# KiCad board Control_1v1.kicad_pcb (continued)
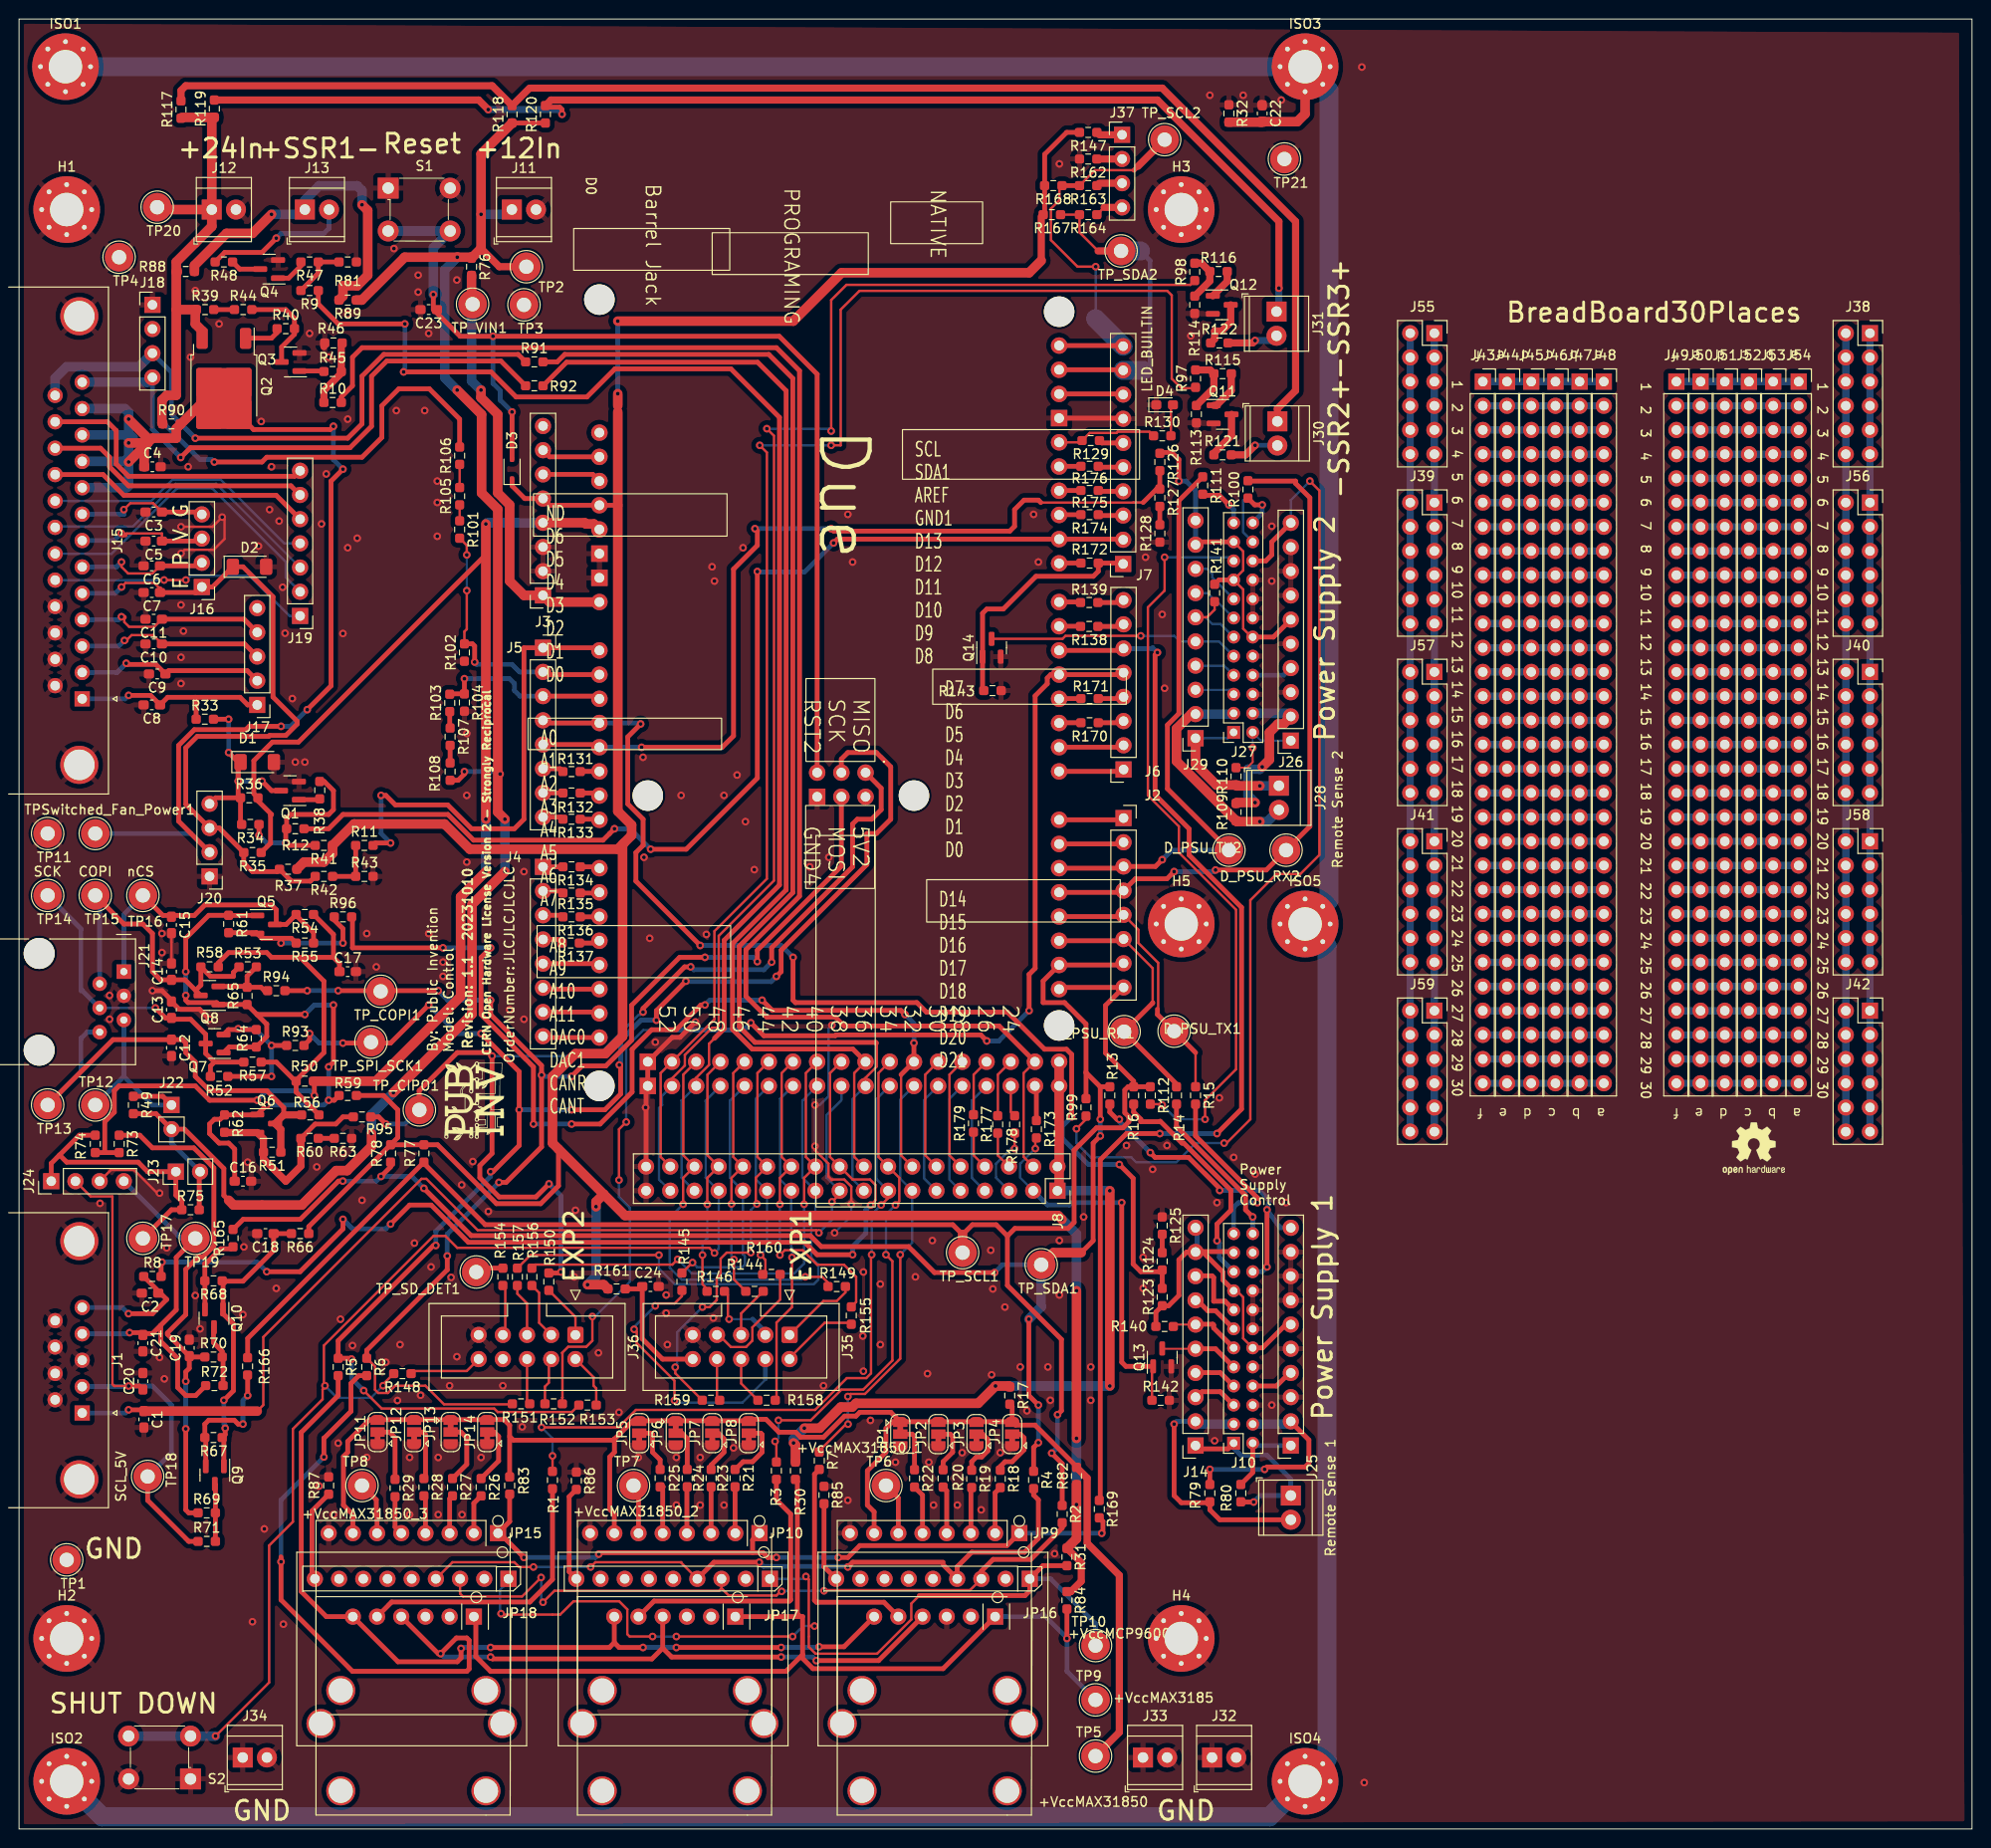
[diagram p0: board, top side]
## Routing (per net, layer and track width the routed paths; a pad name or vN(x,y) marks a point on that pad's centre or on a via; arc(x,y) is an arc through that point) (continued)
SDA1: length 33.2
  Top w0.25: R167.1 R164.2 111.32,167.61 113.27,165.66
  Top w0.5: A1.SDA1 115.84,153.18 J7.9
  Top w0.75: 113.27,165.66 TP_SDA2.1
  Bottom w0.5: 117.71,165.66 118.73,164.64 118.73,153.84 118,153.12
  Bottom w2: 117.71,165.66 TP_SDA2.1 ; J7.9 118,153.12
SENSE_12V: length 18.6
  Top w0.5: J5.3 60.64,118.92 A1.A2 ; R103.2 45.25,119.16 R104.1 v1(46.75,120.75)
  Bottom w0.5: v1(46.75,120.75) 51.5,120.75 52,120.25 52,119.5 52.58,118.92 J5.3
SENSE_24V: length 28.1
  Top w0.25: R101.2 47,134.75 v1(47,133.75) ; v1(47,130) 47,125.95 46.75,125.7 R102.2
  Top w0.5: J5.2 55.28,121.18 A1.A1 ; R102.2 47.59,124.41 47.82,124.18 v1(47.82,122.5)
  Bottom w0.25: v1(47,133.75) v1(47,130)
  Bottom w0.5: v1(47.82,122.5) 47.75,122.5 48,122.25 51.75,122.25 52.54,121.46 J5.2
SENSE_AUX1: length 117.2
  Top w0.5: v1(71.5,92.75) 64.75,99.5 64.75,102.5 65.51,103.26 65.51,106 63.9,107.61 63.9,114.65 v1(65.25,116) ; v1(115.5,69.75) 116.95,68.3 116.95,59.3 117.75,58.5 119.82,58.5 R124.1 R123.2 ; v1(81.25,91.5) 81.25,87 81.5,86.75 94.25,86.75 95.25,85.75 103.75,85.75 107.65,81.85 109.95,81.85 110.5,81.3 v1(110.5,74.75) ; A1.A3 55.28,116.1 J5.4
  Bottom w0.5: v1(115.5,69.75) 112.25,69.75 109.5,72.5 109.5,73.75 v1(110.5,74.75) ; v1(65.25,116) 65.15,116.1 A1.A3 ; v1(81.25,91.5) 80,92.75 v1(71.5,92.75)
SENSE_AUX2: length 91.1
  Top w0.25: 118,139.25 117,139.25 117,139.25 107.25,139.25
  Top w0.5: 118,139.25 119.41,140.66 R127.1 R126.2 ; A1.A4 60.64,113.84 J5.5 ; v1(65.35,113.55) 73.8,113.55 75,114.75 75,132.25 77.5,134.75 77.5,136.25 v1(77.25,136.5) ; v1(85.25,136.5) 85.5,136.25 104,136.25 104.5,136.75 104.5,138.5 105.5,139.5 107,139.5 107.25,139.25
  Bottom w0.5: A1.A4 65.34,113.56 v1(65.35,113.55) ; v1(85.25,136.5) v1(77.25,136.5)
SPI_nRST: length 114.1
  Top w0.5: D3.2 v1(51.75,148.75) ; v1(43.49,161.08) 43.49,159.51 46.3,156.7 79.8,156.7 83.78,152.72 A1.RST2
  Bottom w0.5: v1(49.75,156.7) 49.75,151.75 50.5,151 50.5,150 v1(51.75,148.75)
  Bottom w1: S1.3 S1.4 43.49,165.99 v1(43.49,161.08)
SPI_SCK: length 167.6
  Top w0.25: v1(36.18,46.02) 38.07,44.13 49.89,44.13 50.25,43.77 58.03,43.77 R153.2
  Top w0.5: v1(43.75,61.25) 43.5,61.25 33.5,51.25 R5.1 34.82,49.41 v1(34.91,49.32) ; A1.SCK 86.32,112.32 87,113 90,113 91.5,111.5 91.5,106 90,104.5 89,104.5 89,101.25 80,92.25 80,90 v1(79.5,89.5) ; 63.15,80.2 63.15,77.15 61.5,75.5 v1(58,75.5) ; v1(49.5,69) 49.75,69 52.5,71.75 v1(52.5,75.5) 52.5,79.5 v1(48.5,83.5) ; v1(70,89) 66.9,85.9 v1(66.9,84.9) ; R93.2 30.5,82.84 v1(30.5,83.5) ; v1(43,86.5) 39,82.5 v1(34,82.5)
  Bottom w0.5: v1(34.91,49.32) 34.91,47.29 v1(36.18,46.02) ; 63.15,80.2 63.15,82.77 65.28,84.9 v1(66.9,84.9) ; v1(49.5,69) 49.5,68.5 43.75,62.75 v1(43.75,61.25) ; v1(79.5,89.5) 78.95,88.95 70.05,88.95 v1(70,89) ; v1(58,75.5) v1(52.5,75.5) ; v1(30.5,83.5) 31.5,82.5 v1(34,82.5) ; v1(43,86.5) 46,83.5 v1(48.5,83.5)
  vias: v1(63.01,80.2)
TC_nCS1: length 44.6
  Top w0.25: v1(87,45.39) 87.28,45.67 88.8,45.67 92.5,49.37 v1(92.5,60.28) ; v1(87.03,42.49) 86.8,42.49 84,39.7 R7.1
  Bottom w0.25: v1(87,45.39) 87,42.51 v1(87.03,42.49) ; v1(92.5,60.28) 93.76,61.54 J8.13 92.5,68.26 92.5,76.56 A1.D33
TC_nCS2: length 52.8
  Top w0.25: v1(79.72,42.9) 83.11,42.9 86.32,46.12 88.61,46.12 91.68,49.19 91.68,59.61 v1(91,60.28) ; R3.1 79.5,40.55 v1(79.36,40.69) ; v1(92,65.5) 92.4,65.9 92.4,68.37 J8.16 90.21,70.55 90.21,79.35 A1.D34
  Bottom w0.25: v1(91,60.28) 91,64.5 v1(92,65.5) ; v1(79.72,42.9) 79.72,41.04 v1(79.36,40.69)
TC_nCS3: length 74
  Top w0.25: v1(90.5,65.5) 91.22,66.22 J8.15 ; v1(56,39.16) 56,37.54 R1.1 ; v1(54.85,42.16) 62.92,42.16 64.75,43.99 83.56,43.99 86.9,47.33 88.93,47.33 89.43,47.83 89.43,60.22 v1(89.5,60.28)
  Bottom w0.25: v1(56,39.16) 56,41.01 v1(54.85,42.16) ; J8.15 90,68.22 90,76.6 A1.D35 ; v1(89.5,60.28) 89.5,64.5 v1(90.5,65.5)
Net-(A1-D10_CS0): length 2.3
  Top w0.5: A1.D10 109.21,137.97 R174.2
Net-(A1-D14/TX3): length 6.8
  Top w0.5: A1.D14 115.76,105.94 J2.1
Net-(A1-D15/RX3): length 6.8
  Top w0.5: J2.2 115.76,103.4 A1.D15
Net-(A1-IOREF): length 6.2
  Top w0.5: J3.7 55.7,144.04 A1.IORF
Net-(A1-PadA5): length 2
  Top w0.5: R131.1 58.93,111.02 A1.A5
Net-(A1-PadA6): length 2.5
  Top w0.5: 60.64,108.76 A1.A6 60.65,108.75 R132.1
Net-(A1-PadA7): length 2
  Top w0.5: R133.1 60.86,106 A1.A7
Net-(A1-PadA8): length 2.1
  Top w0.5: A1.A8 60.78,101 R134.1
Net-(A1-PadA9): length 2
  Top w0.5: A1.A9 60.85,98.25 R135.1
Net-(A1-PadA10): length 2
  Top w0.5: R136.1 60.89,95.75
Net-(A1-PadA11): length 2.2
  Top w0.5: A1.A11 60.68,93 R137.1
Net-(A1-PadD2): length 2.3
  Top w0.5: A1.D2 109.21,116.13 R170.2
Net-(A1-PadD3): length 2.3
  Top w0.5: R171.2 109.21,118.67 A1.D3
Net-(A1-PadD6): length 2.3
  Top w0.5: A1.D6 111.41,126.26 R138.2
Net-(A1-PadD7): length 2.3
  Top w0.5: A1.D7 111.38,128.8 R139.2
Net-(A1-PadD8): length 2.3
  Top w0.5: A1.D8 109.21,132.89 R172.1
Net-(A1-PadD11): length 2.3
  Top w0.5: R175.2 109.21,140.51 A1.D11
Net-(A1-PadD12): length 2.3
  Top w0.5: R176.2 109.21,143.05 A1.D12
Net-(A1-PadD23): length 3.7
  Top w0.5: A1.D23 106.79,77.85 R173.1
Net-(A1-PadD24): length 6.2
  Top w0.25: R177.2 102.75,74.9 102.75,79.19 A1.D24
Net-(A1-PadD25): length 3.3
  Top w0.25: R178.2 104.1,75.28 A1.D25
Net-(A1-PadD26): length 6.1
  Top w0.25: A1.D26 100.21,79.19 100.21,75 R179.2
Net-(A1-RESET): length 6.2
  Top w0.5: A1.RST1 60.22,142.2 J3.6
Net-(C2-Pad1): length 13.2
  Top w0.5: R8.1 15.5,55.59 14.01,54.09 v1(11.49,54.09)
  Bottom w0.5: J1.5 10.84,54.75 v1(11.49,54.09)
Net-(C22-Pad2): length 460.5
  Top w1: ISO3.1 135,180.05 134.17,179.22 C22.2 130.45,179.18 R32.2
  Bottom w2: ISO1.1 ISO3.1 137.5,182.5 137.5,97.5 ISO5.1 137.3,92.7 137.3,7.3 ISO4.1 131.28,1.28 8.72,1.28 ISO2.1
Net-(D1-K): length 23.7
  Top w0.5: v1(25.5,110) 26.5,109 Q1.3 ; R34.2 23.25,105.56 R36.1 ; J20.4 20.63,108.25 R36.1 ; R36.1 23,108.5 23,112 v1(22,113) ; R33.2 v1(22,116.5) ; D1.1 23,111.75 v1(23,110)
  Bottom w0.5: v1(22,116.5) v1(22,113) ; v1(23,110) v1(25.5,110)
Net-(D4-A): length 3.3
  Top w0.25: R130.2 120.91,149.29 D4.2
Net-(J3-Pin_1): length 44.2
  Top w1: TP_VIN1.1 47.5,160.18 R76.2 ; v1(48.49,151.05) 48.49,150.26 50.25,148.5 50.25,140.25 51.5,139 51.5,131 53,129.5 J3.1 55.7,128.8 A1.VIN
  Bottom w1: v1(48.49,151.05) 48.45,151.05 47.5,152 47.5,159.96 TP_VIN1.1
Net-(J4-Pin_1): length 2.1
  Top w0.5: J4.1 R134.2
Net-(J4-Pin_2): length 2.2
  Top w0.5: R135.2 56.88,98.46 J4.2
Net-(J4-Pin_3): length 2.2
  Top w0.5: J4.3 56.92,95.92 R136.2
Net-(J4-Pin_4): length 2.2
  Top w0.5: J4.4 56.62,93.38 R137.2
Net-(J5-Pin_6): length 2.2
  Top w0.5: R131.2 56.79,111.3 J5.6
Net-(J5-Pin_7): length 2.1
  Top w0.5: J5.7 57.08,108.76 R132.2
Net-(J5-Pin_8): length 2.2
  Top w0.5: J5.8 56.87,106.22 R133.2
Net-(J6-Pin_3): length 3
  Top w0.5: 115.74,116.1 J6.3 115.77,116.13 R170.1
Net-(J6-Pin_4): length 3
  Top w0.5: R171.1 115.77,118.67 J6.4 115.74,118.64
Net-(J6-Pin_7): length 2.8
  Top w0.5: J6.7 115.72,126.24 R138.1
Net-(J6-Pin_8): length 2.8
  Top w0.5: J6.8 115.69,128.75 R139.1
Net-(J7-Pin_3): length 2.6
  Top w0.5: J7.3 113.38,137.88 R174.1
Net-(J7-Pin_4): length 2.6
  Top w0.5: J7.4 113.38,140.42 R175.1
Net-(J7-Pin_5): length 2.6
  Top w0.5: R176.1 113.38,142.96 J7.5
Net-(J7-Pin_6): length 2.6
  Top w0.5: J7.6 113.66,145.5 R129.1
Net-(J8-Pin_6): length 4
  Top w0.25: R177.1 102.75,73.03 102.75,70.71 J8.6
Net-(J8-Pin_8): length 4.1
  Top w0.25: R179.1 100.21,73.13 100.21,70.71 J8.8
Net-(J8-Pin_10): length 12
  Top w0.25: J8.10 97.67,70.71 97.67,79.19 A1.D28
Net-(J8-Pin_12): length 12
  Top w0.25: J8.12 95.13,70.71 95.13,79.19 A1.D30
Net-(J13-Pin_1): length 36.4
  Top w1: R89.2 34,160.91 34,162 35.5,162 36.6,163.1 36.6,169.9 v1(36,170.5) ; v1(26.5,169.5) 24.5,167.5 21.77,167.5 18.41,164.14 R88.2
  Bottom w1: v1(36,170.5) 36,172 35.5,172.5 31.5,172.5 30,171 J13.1 29.5,169.5 v1(26.5,169.5)
Net-(J13-Pin_2): length 15.4
  Top w0.5: v1(27,167) 25.5,165.5 21.59,165.5 R48.2
  Bottom w0.5: v1(27,167) 27.5,167.5 32,167.5 32.54,168.04 J13.2
Net-(J15-P18): length 27.6
  Top w0.25: 15.24,131.1 17.56,131.1
  Bottom w0.25: 17.56,131.1 18.02,131.56 24.19,131.56 28.4,127.34 J19.1 ; J15.18 15.21,131.1
  vias: v1(15.22,131.11) v1(17.51,131.11)
Net-(J15-P19): length 34
  Bottom w0.25: J15.19 9.73,133.87 16.62,140.76 20.24,140.76 28,133 28,131.38 J19.2
Net-(J15-P20): length 31.3
  Bottom w0.25: J19.3 20.71,141.21 16.44,141.21 11.97,136.75 3.89,136.75 J15.20
Net-(J15-P21): length 29.4
  Bottom w0.25: J19.4 27.84,134.96 21.14,141.66 16.12,141.66 13.87,139.41 J15.21
Net-(J15-P22): length 27.7
  Top w0.5: J15.22 8.82,142.18 11,140 27,140 J19.5
Net-(J15-P23): length 28.3
  Top w0.5: J15.23 8.55,144.95 9.5,144 9.5,143 11.5,141 28.54,141 J19.6
Net-(J15-P24): length 30.4
  Top w0.5: J19.7 28.92,142 11.49,142 10.2,143.29 10.2,146.8 9.28,147.72 J15.24
Net-(J30-Pin_1): length 147.5
  Top w0.5: 53.59,182.75 53.75,182.75
  Top w0.75: 53.59,182.75 R118.2 49.66,183 17.5,183 17,182.5 R117.2 ; 53.75,182.75 120,182.75 134,168.75 134,151 132.09,149.09 J30.1
Net-(J30-Pin_2): length 5.2
  Top w0.75: 129.73,145.23 128.75,144.25 R121.2
  Bottom w0.5: J30.2 132.07,145.25 v1(129.75,145.25)
Net-(J31-Pin_1): length 131.6
  Top w0.5: v1(57,180) 57,180.5 56.75,180.75 55.41,180.75 R120.2
  Top w0.75: R120.2 55.84,181.5 119.5,181.5 132.25,168.75 v1(132.25,161.75) ; R119.2 48.25,181.5 v1(49.25,180.5)
  Bottom w0.5: 56.5,180.5 v1(57,180)
  Bottom w0.75: v1(49.25,180.5) 56.5,180.5 ; J31.1 132.25,159.54 v1(132.25,161.75)
Net-(J31-Pin_2): length 5.4
  Top w0.75: R122.2 129.5,156 v1(129.75,156.25)
  Bottom w0.75: v1(129.75,156.25) 131.5,156.25 J31.2
Net-(J37-Pin_1): length 2.7
  Top w0.25: R147.1 113.4,177.85
  Top w0.75: 113.4,177.85 J37.1
Net-(J37-Pin_2): length 2.6
  Top w0.75: R162.1 J37.2
Net-(J37-Pin_3): length 2.7
  Top w0.25: R163.1 113.4,172.77
  Top w0.75: 113.4,172.77 J37.3
Net-(J37-Pin_4): length 3
  Top w0.25: R164.1 113.9,170.23
  Top w0.75: 113.9,170.23 J37.4
Net-(J38-Pin_1): length 83.8
  Bottom w0.762: J38.1 J42.11
Net-(J38-Pin_10): length 83.8
  Bottom w0.762: J38.2 J42.12
Net-(J39-Pin_1): length 83.8
  Bottom w0.762: J55.1 J59.11
Net-(J39-Pin_10): length 83.8
  Bottom w0.762: J55.2 J59.12
Net-(J43-Pin_1): length 12.7
  Bottom w0.762: J48.1 J43.1
Net-(J43-Pin_2): length 12.7
  Bottom w0.762: J48.2 J43.2
Net-(J43-Pin_3): length 12.7
  Bottom w0.762: J48.3 J43.3
Net-(J43-Pin_4): length 12.7
  Bottom w0.762: J48.4 J43.4
Net-(J43-Pin_5): length 12.7
  Bottom w0.762: J48.5 J43.5
Net-(J43-Pin_6): length 12.7
  Bottom w0.762: J48.6 J43.6
Net-(J43-Pin_7): length 12.7
  Bottom w0.762: J48.7 J43.7
Net-(J43-Pin_8): length 12.7
  Bottom w0.762: J48.8 J43.8
Net-(J43-Pin_9): length 12.7
  Bottom w0.762: J48.9 J43.9
Net-(J43-Pin_10): length 12.7
  Bottom w0.762: J48.10 J43.10
Net-(J43-Pin_11): length 12.7
  Bottom w0.762: J48.11 J43.11
Net-(J43-Pin_12): length 12.7
  Bottom w0.762: J48.12 J43.12
Net-(J43-Pin_13): length 12.7
  Bottom w0.762: J48.13 J43.13
Net-(J43-Pin_14): length 12.7
  Bottom w0.762: J48.14 J43.14
Net-(J43-Pin_15): length 12.7
  Bottom w0.762: J48.15 J43.15
Net-(J43-Pin_16): length 12.7
  Bottom w0.762: J48.16 J43.16
Net-(J43-Pin_17): length 12.7
  Bottom w0.762: J48.17 J43.17
Net-(J43-Pin_18): length 12.7
  Bottom w0.762: J48.18 J43.18
Net-(J43-Pin_19): length 12.7
  Bottom w0.762: J48.19 J43.19
Net-(J43-Pin_20): length 12.7
  Bottom w0.762: J48.20 J43.20
Net-(J43-Pin_21): length 12.7
  Bottom w0.762: J48.21 J43.21
Net-(J43-Pin_22): length 12.7
  Bottom w0.762: J43.22 J48.22
Net-(J43-Pin_23): length 12.7
  Bottom w0.762: J48.23 J43.23
Net-(J43-Pin_24): length 12.7
  Bottom w0.762: J43.24 J48.24
Net-(J43-Pin_25): length 12.7
  Bottom w0.762: J48.25 J43.25
Net-(J43-Pin_26): length 12.7
  Bottom w0.762: J43.26 J48.26
Net-(J43-Pin_27): length 12.7
  Bottom w0.762: J48.27 J43.27
Net-(J43-Pin_28): length 12.7
  Bottom w0.762: J43.28 J48.28
Net-(J43-Pin_29): length 12.7
  Bottom w0.762: J48.29 J43.29
Net-(J43-Pin_30): length 12.7
  Bottom w0.762: J43.30 J48.30
Net-(J49-Pin_1): length 12.7
  Bottom w0.762: 186.68,151.94 J49.1
Net-(J49-Pin_2): length 12.7
  Bottom w0.762: J49.2 186.68,149.4
Net-(J49-Pin_3): length 12.7
  Bottom w0.762: 186.68,146.86 J49.3
Net-(J49-Pin_4): length 12.7
  Bottom w0.762: J49.4 186.68,144.32
Net-(J49-Pin_5): length 12.7
  Bottom w0.762: 186.68,141.78 J49.5
Net-(J49-Pin_6): length 12.7
  Bottom w0.762: J49.6 186.68,139.24
Net-(J49-Pin_7): length 12.7
  Bottom w0.762: 186.68,136.7 J49.7
Net-(J49-Pin_8): length 12.7
  Bottom w0.762: J49.8 186.68,134.16
Net-(J49-Pin_9): length 12.7
  Bottom w0.762: 186.68,131.62 J49.9
Net-(J49-Pin_10): length 12.7
  Bottom w0.762: J49.10 186.68,129.08
Net-(J49-Pin_11): length 12.7
  Bottom w0.762: 186.68,126.54 J49.11
Net-(J49-Pin_12): length 12.7
  Bottom w0.762: J49.12 186.68,124
Net-(J49-Pin_13): length 12.7
  Bottom w0.762: 186.68,121.46 J49.13
Net-(J49-Pin_14): length 12.7
  Bottom w0.762: J49.14 186.68,118.92
Net-(J49-Pin_15): length 12.7
  Bottom w0.762: 186.68,116.38 J49.15
Net-(J49-Pin_16): length 12.7
  Bottom w0.762: J49.16 186.68,113.84
Net-(J49-Pin_17): length 12.7
  Bottom w0.762: 186.68,111.3 J49.17
Net-(J49-Pin_18): length 12.7
  Bottom w0.762: J49.18 186.68,108.76
Net-(J49-Pin_19): length 12.7
  Bottom w0.762: 186.68,106.22 J49.19
Net-(J49-Pin_20): length 12.7
  Bottom w0.762: J49.20 186.68,103.68
Net-(J49-Pin_21): length 12.7
  Bottom w0.762: 186.68,101.14 J49.21
Net-(J49-Pin_22): length 12.7
  Bottom w0.762: J49.22 186.68,98.6
Net-(J49-Pin_23): length 12.7
  Bottom w0.762: 186.68,96.06 J49.23
Net-(J49-Pin_24): length 12.7
  Bottom w0.762: J49.24 186.68,93.52
Net-(J49-Pin_25): length 12.7
  Bottom w0.762: 186.68,90.98 J49.25
Net-(J49-Pin_26): length 12.7
  Bottom w0.762: J49.26 186.68,88.44
Net-(J49-Pin_27): length 12.7
  Bottom w0.762: 186.68,85.9 J49.27
Net-(J49-Pin_28): length 12.7
  Bottom w0.762: J49.28 186.68,83.36
Net-(J49-Pin_29): length 12.7
  Bottom w0.762: 186.68,80.82 J49.29
Net-(J49-Pin_30): length 12.7
  Bottom w0.762: J49.30 186.68,78.28
Net-(JP1-C): length 5.1
  Top w0.5: JP1.2 93.75,41.45 94,41.2 R22.1
Net-(JP2-C): length 5.5
  Top w0.5: R20.1 97,38.55 98,39.55 98,41.2 97.75,41.45 JP2.2
Net-(JP3-C): length 5.7
  Top w0.5: R19.1 100,38.55 100.5,39.05 101.05,39.05 101.7,39.7 101.7,40.89 101.14,41.45 JP3.2
Net-(JP4-C): length 6.3
  Top w0.5: JP4.2 105.1,41.45 105.5,41.05 105.5,39.81 104.24,38.55 103.5,38.55 103,38.05 R18.1
Net-(JP5-C): length 5.5
  Top w0.5: JP5.2 66.35,41.55 66.5,41.4 66.5,39.55 67.3,38.75 R25.1
Net-(JP6-C): length 4.7
  Top w0.5: R24.1 70.14,40.98 69.57,41.55 JP6.2
Net-(JP7-C): length 5.3
  Top w0.5: JP7.2 73.41,41.55 74,40.96 74,39.55 72.65,38.2 R23.1
Net-(JP8-C): length 6.9
  Top w0.5: JP8.2 77.86,41.55 78,41.41 78,39.55 77,38.55 76,38.55 75.19,37.74 R21.1
Net-(JP9-Pin_2): length 5
  Top w0.5: R18.2 102.46,35.3 JP9.2
Net-(JP9-Pin_3): length 4.8
  Top w0.5: JP9.3 99.92,35.76 R19.2
Net-(JP9-Pin_4): length 5
  Top w0.5: JP9.4 97.38,35.51 R20.2
Net-(JP9-Pin_5): length 5.2
  Top w0.5: JP9.5 94.84,35.05 R22.2
Net-(JP9-Pin_6): length 5.5
  Top w0.5: TP6.1 92.3,34.75 JP9.6
Net-(JP10-Pad2): length 4.9
  Top w0.5: JP10.2 75.16,31.07 R21.2
Net-(JP10-Pad3): length 4.9
  Top w0.5: JP10.3 72.64,35.91 R23.2
Net-(JP10-Pad4): length 4.9
  Top w0.5: R24.2 70.11,35.88 JP10.4
Net-(JP10-Pad5): length 5.3
  Top w0.5: 67.63,35.91 R25.2 67.56,35.64 JP10.5
Net-(JP10-Pad6): length 5.2
  Top w0.5: JP10.6 65.03,35.53 TP7.1
Net-(JP11-C): length 6.5
  Top w0.5: JP11.2 38.89,41.66 39.47,41.08 R29.1
Net-(JP12-C): length 6
  Top w0.5: JP12.2 42.39,41.66 42.67,41.38 42.67,36.96 R28.1
Net-(JP13-C): length 6.8
  Top w0.5: R27.1 47,38.29 47,41.05 46.39,41.66 JP13.2
Net-(JP14-C): length 6.6
  Top w0.5: R26.1 50.34,38.63 50.34,41.21 49.89,41.66 JP14.2
Net-(JP15-Pad2): length 4.2
  Top w0.5: JP15.2 47.74,34.2 R26.2
Net-(JP15-Pad3): length 4
  Top w0.5: R27.2 45.2,34.66 JP15.3
Net-(JP15-Pad4): length 4
  Top w0.5: JP15.4 42.66,34.8 R28.2
Net-(JP15-Pad5): length 4.1
  Top w0.5: R29.2 39.47,31.7 JP15.5
Net-(JP15-Pad6): length 5.7
  Top w0.5: JP15.6 37.58,32.97 37.5,33.05 37.5,34.55 TP8.1
Net-(JP19-Pad9): length 8.4
  Top w0.5: R85.2 84.5,27.53 JP19.9
Net-(JP20-Pad9): length 10
  Top w0.5: JP20.9 57.75,27.01 57.75,34.89 R86.2
Net-(JP21-Pad9): length 9.7
  Top w0.5: R87.2 30.75,33.39 30.75,26.56 JP21.9
Net-(Q1-G): length 2.2
  Top w0.5: Q1.1 31.47,108.05 R38.1
Net-(Q2-G): length 4
  Top w0.5: Q2.1 23.81,156.5 26.5,156.5 27.09,157.09 R40.1
Net-(Q3-D): length 10
  Top w0.5: Q3.3 27.56,155.56 28.91,156.91 R40.2 28.91,158.59 28,159.5 R44.2
Net-(Q3-G): length 2.6
  Top w0.5: R45.1 31.95,153.05 Q3.1
Net-(Q4-D): length 3.2
  Top w0.5: Q4.3 23.16,163.75 R48.1
Net-(Q4-G): length 3.3
  Top w0.5: Q4.1 28.3,162.8 29.59,164.09 R47.2
Net-(Q9-D): length 6.1
  Top w0.5: Q9.3 20.61,36.15 R69.2 R71.2
Net-(Q10-D): length 6.6
  Top w0.5: Q10.3 20.41,52.62 20.41,51.04 21.33,50.13 R70.2 21.41,49.46 R72.2
Net-(Q11-D): length 5
  Top w0.75: Q11.3 127.28,146.28 125.43,144.43 R121.1
Net-(Q11-G): length 4.3
  Top w0.75: Q11.1 125.7,149.45 127.25,151 R115.2
Net-(Q12-D): length 5.3
  Top w0.75: Q12.3 127.19,158.19 126.25,157.25 125.5,157.25 125.5,156.41 R122.1
Net-(Q12-G): length 3.2
  Top w0.75: Q12.1 126.82,162.46 R116.2
Net-(R39-Pad2): length 2.2
  Top w0.5: R39.2 R44.1
Net-(R60-Pad1): length 1.7
  Top w0.5: R60.1 R63.2
Net-(R101-Pad1): length 1.7
  Top w0.25: R105.1 R101.1
Net-(R103-Pad1): length 1.7
  Top w0.5: 45.25,115.58 45.21,115.61 R103.1
Net-(R105-Pad2): length 2.4
  Top w0.25: R106.1 R105.2
Net-(R107-Pad2): length 1.8
  Top w0.5: R107.2 R108.1
Net-(R124-Pad2): length 1.9
  Top w0.5: R124.2 R125.2
Net-(R127-Pad2): length 1.9
  Top w0.5: R128.2 R127.2
Net-(R154-Pad2): length 3.2
  Top w0.5: TP_SD_DET1.1 48.4,58.87 51.04,58.87

## Copper pours and planes (outline as drawn; the poured copper is in the pictures)
GND on Top: 1,189.5 203.63,188.56 204.2,0.81 1,0.5
GND on Top, Bottom: 0.5,189.5 203.63,188.56 204.2,0.81 0.5,0.5

## Text on the board
F.Silkscreen: CERN Open Hardware License Version 2 - Strongly Reciprocal | 1  2  3  4  5  6  7  8  9 10 11 12 13 14 15 16 17 18 19 20 21 22 23 24 25 26 27 28 29 30 | Power / Supply / Control | JLCJLCJLCJLC | OrderNumber: | LED_BUILTIN | Remote Sense 1 | Remote Sense 2 | By: Public Invention | Model: Control | Revision: 1.1  20231010 | a  b  c  d  e  f | F P V G | SHUT DOWN | GND | +24In | +SSR1- | Reset | +12In | BreadBoard30Places | Power Supply 1 | Power Supply 2 | -SSR3+ | -SSR2+ | EXP2 | EXP1
